# EAGLE board board (EAGLE 7.5.0), part 2 of 2 (continued)
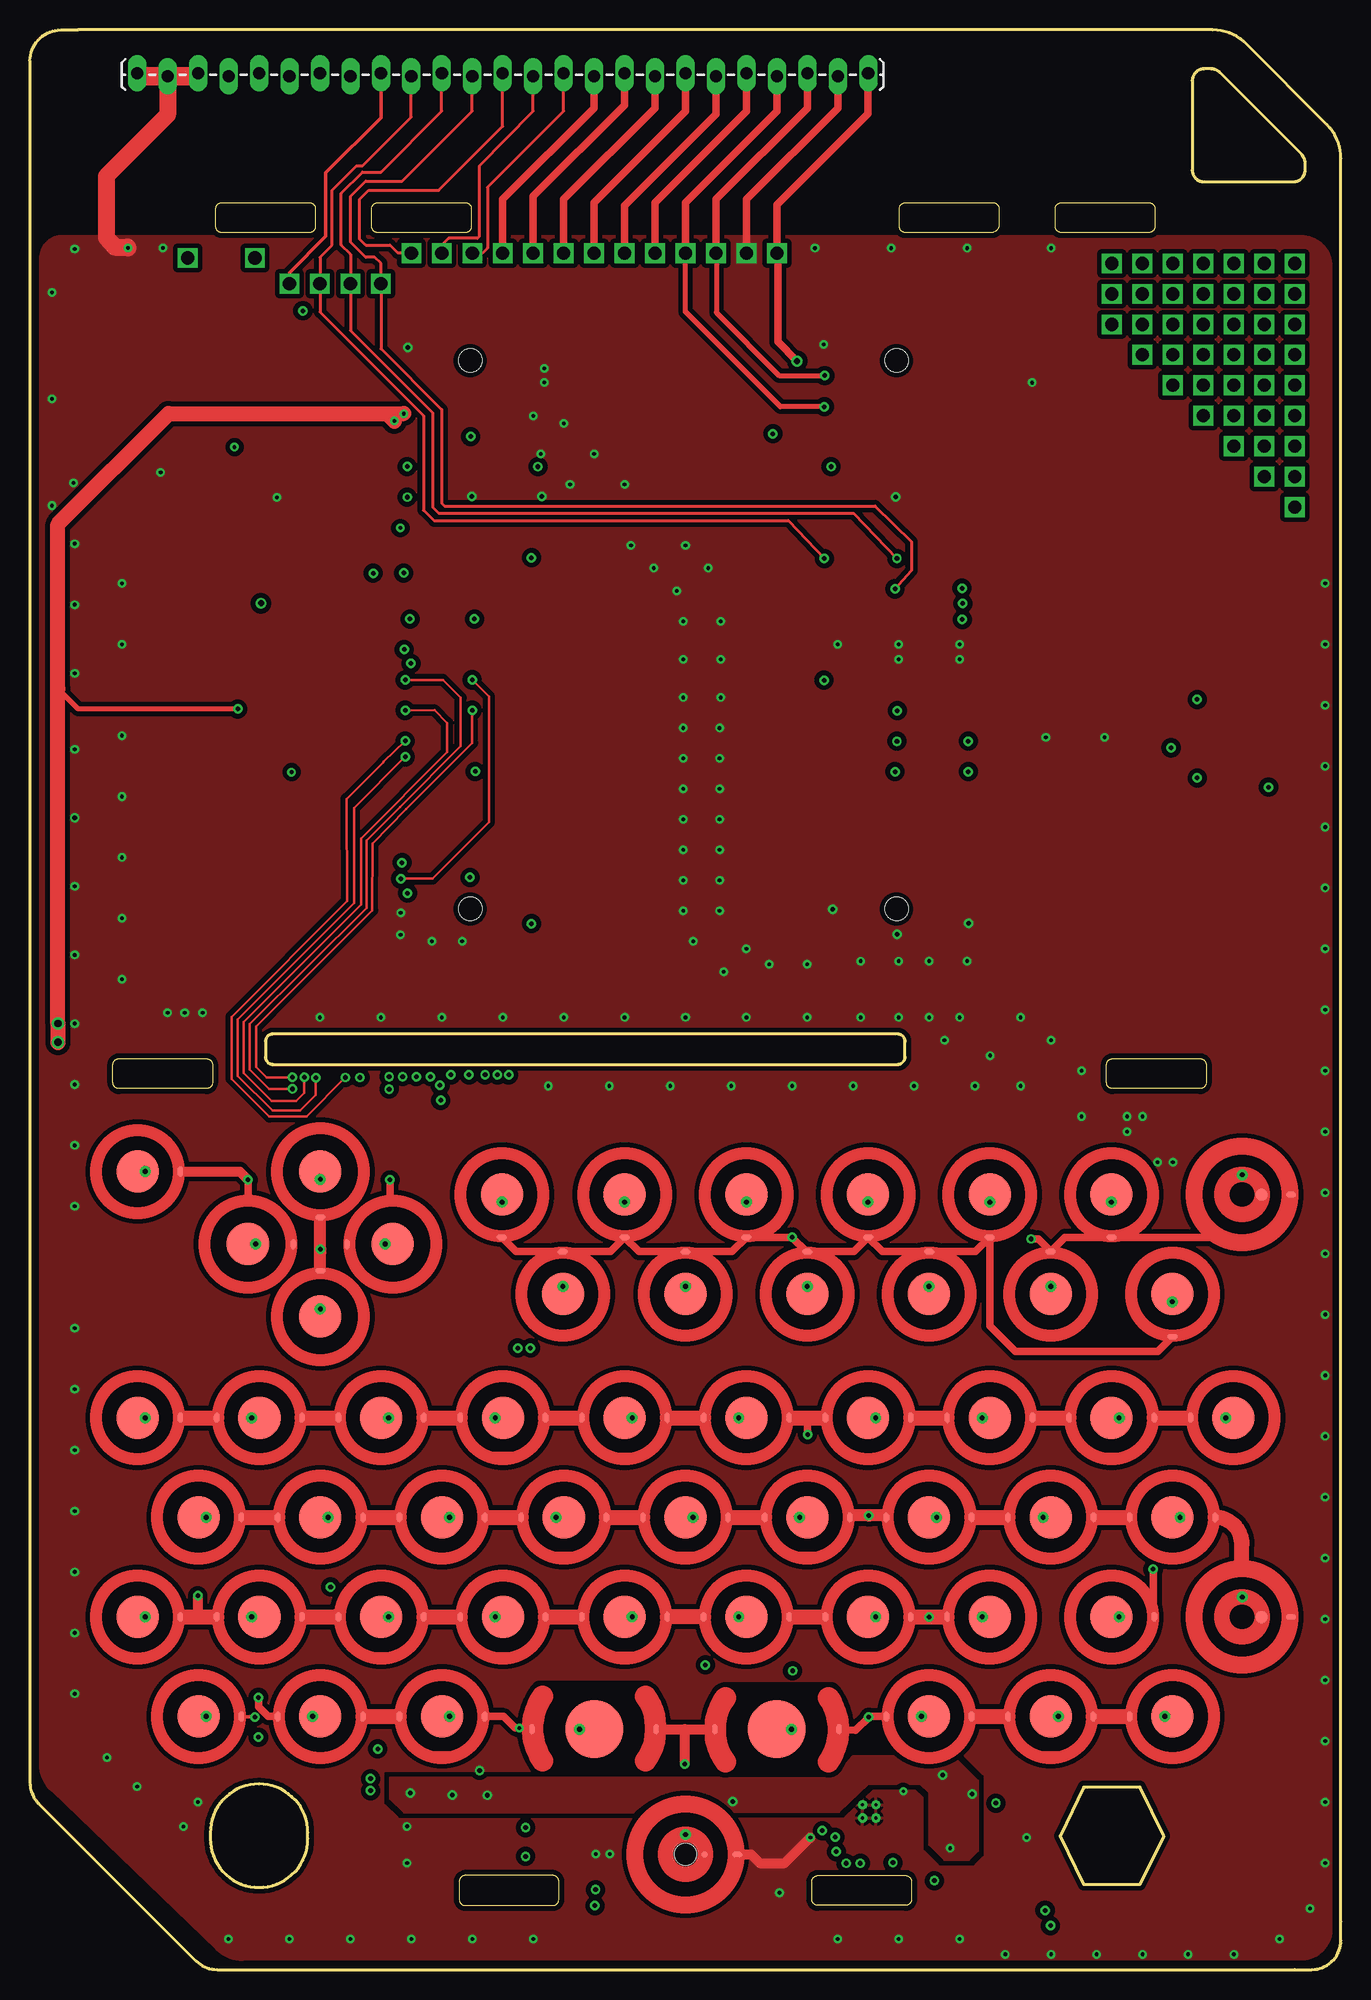
[diagram p0: board, top side]
## Tracks (layer width: path | path; a pad name or v marks a point on that pad's centre or on a via) (continued)
  Bottom 0.203: X1.20 30.42,35.15 31.31,36.04 31.31,53.16 26.95,57.52 26.95,73.81 v27.51,74.37 | v37.13,99.88 39.54,99.88 J1.69
LCD_D19
  Bottom 0.203: 39.69,97.33 37.38,97.33 36.37,98.34 30.83,98.34 25.7,93.21 25.7,87.98 16.81,79.09 16.81,74.26 20.87,70.2 20.87,50.27 24.94,46.21 24.94,39.46 26.07,38.33 26.07,37.22 24.42,35.57 X1.8
  Bottom 0.254: 39.69,97.33 J1.71
LCD_D20
  Bottom 0.203: J1.72 33.69,97.33 31.19,97.33 26.21,92.35 26.21,87.72 17.32,78.83 17.32,74.52 21.36,70.48 21.36,50.5 25.45,46.41 25.45,39.72 26.52,38.65 26.52,37.06 24.92,35.46 X1.9
LCD_D21
  Bottom 0.203: J1.73 39.69,94.78 37.38,94.78 36.37,95.8 31.24,95.8 26.72,91.28 26.72,87.47 17.83,78.58 17.83,74.77 21.86,70.74 21.86,50.7 25.95,46.5 25.95,39.97 26.98,38.95 26.98,36.91 25.42,35.35 X1.10
LCD_D22
  Bottom 0.203: J1.74 33.69,94.78 30.98,94.78 27.22,91.03 27.22,87.22 18.33,78.33 18.33,75.02 22.36,71 22.36,50.9 26.46,46.79 26.46,40.23 27.41,39.28 27.41,36.73 25.92,35.24 X1.11
LCD_D23
  Bottom 0.203: J1.75 39.69,92.25 37.13,92.25 35.77,93.6 31.34,93.6 27.73,90 27.73,86.96 18.84,78.07 18.84,75.28 22.86,71.26 22.86,51.2 26.97,47.09 26.97,40.48 27.82,39.63 27.82,36.56 26.42,35.16 X1.12
LCD_DE  (via drill 0.38)
  Route15 0.203: v37.95,74.6 37.95,73.63 34.54,70.23 20.88,70.23 16.82,74.28 16.82,80.88 30.3,94.36 35.53,94.36 41.8,88.09 v41.8,87.19
  Bottom 0.203: X1.34 37.42,35.8 38.19,36.6 38.19,41.71 37.08,42.82 37.08,73.74 v37.95,74.6 | v41.8,87.19 v41.8,87.2 J1.79
  Bottom 0.254: J1.79 39.6,87.15
LCD_XL  (via drill 0.3, 0.38)
  Route15 0.203: v40.66,51.82 40.66,64.21 39.46,65.41 34.44,65.38 33.09,64.03 7.88,64.03 5.84,66.06 5.84,76.32 27.88,98.36 27.88,117.73 30.34,120.19 v30.88,120.19
  Bottom 0.203: 33.69,120.19 J1.54 | X1.39 39.92,35.99 40.66,36.73 v40.66,51.82
  Bottom 0.61: v30.88,120.19 33.69,120.19
LCD_XR  (via drill 0.38)
  Route15 0.203: v38.98,74.6 38.98,73.33 35.38,69.73 20.57,69.73 16.29,74.01 16.29,81.16 30.3,95.17 30.3,115.56 v31.17,116.43
  Bottom 0.203: 39.72,120.19 J1.53 | X1.37 38.92,36.2 39.85,37.13 39.85,40.41 39.86,40.41 39.86,40.73 37.57,43.02 37.57,71.89 38.98,73.31 v38.98,74.6 | J1.53 | J1.53 37.69,120.23 37.13,119.67 37.13,117.13 36.45,116.44 31.18,116.44 v31.17,116.43
LCD_YD  (via drill 0.38)
  Route15 0.203: v39.92,74.6 39.92,73.1 35.73,68.9 20.75,68.9 15.79,73.86 15.79,81.6 29.45,95.26 29.45,118.52 29.93,119 40.5,119 v41.81,117.69
  Bottom 0.203: 39.72,117.64 J1.55 39.57,117.69 v41.81,117.69 | X1.38 39.42,36.09 40.26,36.93 40.26,40.9 38.02,43.14 38.02,71.16 39.93,73.07 39.93,74.66 v39.92,74.6
LCD_YU  (via drill 0.38)
  Route15 0.203: v41.73,51.82 41.73,64.04 39.72,66.04 34.16,66.04 32.74,64.62 8.15,64.62 6.4,66.38 6.4,76.02 28.62,98.24 v28.62,116.42
  Bottom 0.203: X1.40 40.42,35.88 41.07,36.53 41.07,51.16 v41.73,51.82 | v28.62,116.42 29.88,117.68 J1.56
N$1  (via drill 1.1)
  other vias: 95.3,137.16
N$9  (via drill 1.1)
  other vias: 97.84,137.16
N$24  (via drill 1.1)
  other vias: 100.38,137.16
N$25  (via drill 1.1)
  other vias: 102.92,137.16
N$26  (via drill 1.1)
  other vias: 102.92,139.7
N$27  (via drill 1.1)
  other vias: 105.46,139.7
N$28  (via drill 1.1)
  other vias: 105.46,137.16
N$30  (via drill 1.1)
  other vias: 105.46,134.62
N$31  (via drill 1.1)
  other vias: 102.92,134.62
N$32  (via drill 1.1)
  other vias: 100.38,134.62
N$33  (via drill 1.1)
  other vias: 97.84,134.62
N$34  (via drill 1.1)
  other vias: 95.3,134.62
N$35  (via drill 1.1)
  other vias: 92.76,134.62
N$36  (via drill 1.1)
  other vias: 95.3,132.08
N$37  (via drill 1.1)
  other vias: 97.84,132.08
N$38  (via drill 1.1)
  other vias: 100.38,132.08
N$39  (via drill 1.1)
  other vias: 102.92,132.08
N$40  (via drill 1.1)
  other vias: 105.46,132.08
N$41  (via drill 1.1)
  other vias: 105.46,129.54
N$42  (via drill 1.1)
  other vias: 102.92,129.54
N$43  (via drill 1.1)
  other vias: 100.38,129.54
N$44  (via drill 1.1)
  other vias: 97.84,129.54
N$45  (via drill 1.1)
  other vias: 100.38,127
N$46  (via drill 1.1)
  other vias: 90.22,142.24
N$47  (via drill 1.1)
  other vias: 105.46,127
N$48
  Bottom 0.203: 98.96,100.87 C17.1
  Bottom 0.279: U4.2 98.96,100.87
N$49  (via drill 1.1)
  other vias: 90.22,139.7
N$50
  Bottom 0.254: U5.4 52.78,11.18 53.11,10.87 53.11,9.22 52.75,8.87 52.07,8.87
  Bottom 0.305: 52.04,8.87 LED1.GREEN 52.07,8.87
N$51
  Bottom 0.254: 51.86,10.53 LED1.RED
  Bottom 0.305: 51.88,10.5 LED1.RED
  Bottom 0.356: U5.5 51.86,10.53
N$52  (via drill 1.1)
  other vias: 92.76,142.24
N$53
  Bottom 0.254: U5.10 39.69,10.49 R8.2
  Bottom 0.305: 38.17,10.5 R8.2
N$54  (via drill 1.1)
  other vias: 90.22,137.16
N$55  (via drill 1.1)
  other vias: 102.92,124.46
N$56  (via drill 1.1)
  other vias: 105.46,124.46
N$57  (via drill 1.1)
  other vias: 105.46,121.92
N$58  (via drill 1.1)
  other vias: 102.92,127
N$59  (via drill 1.1)
  other vias: 105.46,142.24
N$61
  Bottom 0.305: Q2.3 23.26,27.08 21.42,28.92 X1.2 | X1.2
N$63
  Bottom 0.406: Q2.1 25.68,29.16 Q1.3
N$87  (via drill 1.1)
  other vias: 100.38,139.7
N$120  (via drill 1.1)
  other vias: 102.92,142.24
N$121  (via drill 1.1)
  other vias: 100.38,142.24
N$122  (via drill 1.1)
  other vias: 97.84,142.24
N$124  (via drill 1.1)
  other vias: 92.76,139.7
N$125  (via drill 1.1)
  other vias: 92.76,137.16
N$126  (via drill 1.1)
  other vias: 95.3,142.24
N$127  (via drill 1.1)
  other vias: 95.3,139.7
N$129  (via drill 1.1)
  other vias: 97.84,139.7
N$555
  Bottom 0.305: U5.3 44.56,11.8 43.91,11.15 43.91,9.04 44.98,7.98 55.32,7.98 56.23,8.89 57.24,8.89 LED1.BLUE
PWM
  Bottom 0.203: J1.57 38.22,115.14 37,113.92 31.16,113.92 16.3,99.06 16.3,74.04 20.37,69.98 20.37,50.29 17.06,46.99 17.06,26.42 25.95,17.53 29.13,17.53 29.76,18.16 29.76,20.7 24.94,25.53 24.94,26.8 25.19,27.05 27.44,27.05 R13.2
  Bottom 0.61: R13.2 Q1.2
PWR_LGT  (via drill 0.38)
  Bottom 0.61: 28.42,14.92 28.42,15.55 30.51,17.65 30.51,21.12 25.68,25.95 Q2.2
  other vias: 28.4,15.91 28.4,14.92
  pour Bottom: 7.08,120.06 5.43,120.06 4.62,120.87 4.62,130.01 5.76,131.16 7.54,131.16 8.17,130.52 8.17,127.98 7.44,126.94 7.46,123.33 7.9,123.33 7.9,120.87
  pour Bottom (isolate 0.4): 7.9,123.03 5.38,123.03 4.62,122.27 4.62,21.18 8.86,16.92 22.02,16.92 22.6,16.4 24.94,14.06 28.75,14.06 29.26,14.57 29.26,15.84 28.75,16.35 25.45,16.35 23.87,17.87 11.43,17.87 5.76,23.46 5.76,118.71 7.9,120.74
PWR_ON  (via drill 0.38)
  Top 0.203: PWR.SW 56.26,9.82 arc90 PWR.SW1
  Route2 0.203: PWR.SW1 55.47,11.25 57.12,9.6 57.12,7.09 59.3,4.9 59.3,4.89 60.27,3.93 78.16,3.92 79.53,2.58 100.73,2.58 106.42,8.27 106.42,76.27
  Route2 0.254: 106.42,76.27 99.56,83.13 68.31,83.13 65.68,85.76 65.68,104.41 67.22,105.95 67.22,109.04 50.96,125.3 v42.35,125.3
  Bottom 0.203: 54.66,12.69 R9.1
  Bottom 0.254: v42.35,125.3 v42.34,125.3 J1.49
  Bottom 0.61: PWR.SW1 54.66,12.69
ROW-0  (via drill 0.38)
  Top 0.61: 2.GND 40.54,59.87 3.GND 48.39,59.87 4.GND 50.77,59.87 5.GND 58.54,59.87 6.GND v63.55,61.05 64.73,59.87 7.GND 68.69,59.87 8.GND 71.07,59.87 9.GND 78.84,59.87 0.GND 80.03,53.67 82.18,51.52 94.03,51.52 1.GND
  Route15 0.254: v63.55,61.05 63.55,61.03
  Route15 0.406: v66.06,11.57 66.06,41.45 63.55,43.99 63.55,61.03
  Bottom 0.254: U2.8 66.93,12.42 v66.06,11.57
ROW-1  (via drill 0.38)
  Top 0.203: I.GND arc90 79.45,42.93 80.36,42.93 arc90 83.61,46.15 | 86.58,46.15 86.58,46.08 arc90 89.68,42.98 90.81,42.98 arc90 O.GND | Y.GND 55.92,46.13 arc90 59.13,42.93 59.94,42.93 arc90 63.32,46.15 | 66.24,46.15 arc90 69.46,42.9 70.43,42.9 arc90 U.GND | W.GND arc90 18.53,42.95 19.68,42.95 arc90 22.86,46.13 | 25.68,46.13 arc90 28.88,42.93 29.86,42.93 arc90 E.GND | R.GND 35.62,46.06 arc90 38.63,43.05 40.03,43.05 arc90 43.12,46.15 | 45.97,46.15 45.97,46.05 arc90 49.02,43 50.23,43 arc90 T.GND
  Top 0.305: 22.86,46.13 22.94,46.13 W.GND@1 | 25.68,46.13 25.47,46.13 E.GND@1 | 63.32,46.15 63.54,46.15 Y.GND@1 | 66.24,46.15 66.07,46.15 U.GND@1 64.84,46 64.84,45.85 | 43.12,46.15 43.24,46.15 R.GND@1 | 45.97,46.05 45.77,46.05 T.GND@1 | 83.61,46.15 83.84,46.15 I.GND@1 | O.GND@1 86.58,46 86.58,46.08
  Top 0.406: 94,46.17 O.GND
  Top 0.61: v64.84,44.59 64.84,45.85
  Top 1.27: Q.GND W.GND | E.GND R.GND | U.GND I.GND | O.GND P.GND | W.GND@1 E.GND@1 | Y.GND@1 U.GND@1 | R.GND@1 T.GND@1 | I.GND@1 O.GND@1 | T.GND Y.GND
  Route15 0.406: v67.13,11.04 67.13,11.66 67.81,12.34 67.81,41.78 v64.84,44.59
  Bottom 0.254: U2.7 67.54,11.94 67.13,11.52 v67.13,11.04
ROW-2  (via drill 0.38)
  Top 0.203: 20.4,37.81 S.GND@1 20.4,37.76 arc90 23.47,34.62 24.86,34.62 arc90 S.GND | F.GND arc90 43.84,34.72 44.83,34.72 arc90 48.08,37.87 | 51.08,37.87 51.08,37.8 arc90 54.15,34.72 55.32,34.72 arc90 G.GND | H.GND 61,37.85 arc90 64.13,34.72 65.2,34.72 arc90 68.4,37.85 | 71.34,37.85 71.34,37.74 arc90 74.49,34.59 75.5,34.59 arc90 J.GND | K.GND 81.3,37.85 arc90 84.48,34.67 85.57,34.67 arc90 88.72,37.82 | 91.61,37.82 arc90 91.64,37.85 91.64,37.77 arc90 94.76,34.65 95.86,34.65 arc90 L.GND | 30.74,37.86 arc-90 30.76,37.85 30.76,37.8 arc90 33.9,34.65 34.96,34.65 arc90 D.GND
  Top 0.254: ENTER.GND 105.13,29.42 arc90 101.06,33.5
  Top 0.305: 30.76,37.8 30.55,37.8 D.GND@1 | 48.08,37.87 48.32,37.87 F.GND@1 | 51.08,37.8 50.84,37.8 G.GND@1 | 71.34,37.74 71.15,37.74 J.GND@1 70.02,37.7 70.02,37.85 | 68.4,37.85 68.62,37.85 | 88.72,37.82 88.92,37.82 K.GND@1 | 91.61,37.82 91.45,37.82 L.GND@1
  Top 0.406: 69.92,37.74 70.02,37.85
  Top 0.813: 28.01,37.85 S.GND | v69.92,37.84 69.92,37.74
  Top 1.016: 71.34,37.85 70.02,37.85 68.62,37.85 H.GND@1
  Top 1.27: J.GND K.GND | G.GND H.GND | A.GND S.GND@1 | D.GND F.GND | S.GND D.GND@1 | F.GND@1 G.GND@1 | K.GND@1 L.GND@1 | 101.06,33.5 101.06,35.46 arc90 L.GND
  Route15 0.406: v67.23,9.82 68.55,11.3 68.55,36.63 v69.92,37.84
  Bottom 0.203: U2.6 arc-90 U2.6 arc90 U2.6
  Bottom 0.254: U2.6 68.73,10.64 67.92,9.82 v67.23,9.82
ROW-3  (via drill 0.38)
  Top 0.203: Z.GND 15.32,29.46 arc90 18.49,26.29 19.4,26.29 arc90 22.7,29.54 | 25.68,29.54 25.78,29.31 arc90 28.67,26.34 30,26.34 arc90 X.GND | B.GND 55.92,29.5 arc90 59.13,26.29 60.02,26.29 arc90 63.32,29.52 | 66.21,29.52 66.21,29.44 arc90 69.26,26.39 70.52,26.39 arc90 N.GND | C.GND arc90 38.81,26.36 39.75,26.36 arc90 43,29.57 | 45.97,29.57 46.07,29.39 arc90 49.07,26.39 50.22,26.39 arc90 V.GND
  Top 0.305: 43,29.57 43.24,29.57 C.GND@1 | V.GND@1 45.97,29.4 45.97,29.57 | 63.32,29.52 63.54,29.52 B.GND@1 | 66.21,29.44 66.07,29.44 N.GND@1
  Top 0.406: 22.7,29.54 22.94,29.41 Z.GND@1 | 25.68,29.54 25.47,29.41
  Top 0.61: v74.98,29.38
  Top 0.813: v13.99,31.16 13.99,29.41
  Top 1.016: DWN.GND 24.21,59.77 v24.21,60.07 UP.GND
  Top 1.27: SHIFT.GND 13.99,29.41 Z.GND | X.GND C.GND | N.GND v74.98,29.38 M.GND | B.GND V.GND | 25.47,29.41 X.GND@1 Z.GND@1 | C.GND@1 V.GND@1 | B.GND@1 N.GND@1
  Route2 0.61: v13.99,31.16 7.34,37.81 7.34,52.98 11.36,57 19.17,57 22.25,60.07 v24.21,60.07
  Route15 0.254: v68.04,8.86 68.07,8.99
  Route15 0.381: 68.07,8.99 71.9,12.83
  Route15 0.406: 71.9,12.83 71.9,26.49 v74.98,29.38
  Bottom 0.254: U2.5 69.22,10.01 v68.04,8.86
ROW-4  (via drill 0.3, 0.38)
  Top 0.203: TAB.GND arc90 74.32,18.03 75.26,18.03 arc90 78.51,21.26 | 81.56,21.26 81.5,21.13 arc90 84.53,18.11 85.76,18.11 arc90 ?/.GND | FN.GND 20.4,21.15 arc90 23.57,17.98 24.46,17.98 arc90 27.78,21.26 | 30.76,21.26 30.76,21.13 arc90 33.78,18.11 35.02,18.11 arc90 ALT.GND | RIGHT.GND | RIGHT.GND arc-90 30.02,64.06 | 18.18,64.14 18.32,64.14 arc-90 LEFT.GND
  Top 0.305: 78.51,21.26 78.76,21.26 TAB.GND@1 | 81.5,21.13 81.29,21.13 ?/.GND@1 | 27.78,21.26 28.02,21.26 FN.GND@1 | 30.76,21.13 30.55,21.13 ALT.GND@1
  Top 0.406: v40.79,20.14 41.88,20.13 SPACEL.GND | 38.18,21.11 ALT.GND
  Top 0.61: SPACEL.GND 40.45,20.15 39.49,21.11 38.18,21.11 | SPACER.GND 68.82,19.93 v69.93,21.04 70,21.11 71.14,21.11 TAB.GND | TAB.GND arc-90 TAB.GND | 30.02,64.06 v30.02,65.84 | v18.18,65.84 18.18,64.14 | FN.GND 19.87,21.1 19.07,21.9 19.07,22.65 v19.05,22.68
  Top 0.813: SPACER.GND@1 SPACEL.GND@1 54.58,20.04 v54.58,17.14 | ESC.GND 17.5,66.52 v18.18,65.84
  Top 1.27: ?/.GND SHFT.GND | TAB.GND@1 ?/.GND@1 | FN.GND@1 ALT.GND@1
  Route2 0.254: v69.24,8.86 69.21,8.91
  Route2 0.61: v19.05,22.68 9.8,22.68 5.56,26.92 5.56,53.34 18.06,65.84 v18.18,65.84 20.09,67.74 28.11,67.74 v30.02,65.84 | 69.03,17.14 69.03,20.14 v69.93,21.04
  Route2 0.813: v40.79,20.14 43.79,17.14 v54.58,17.14 69.03,17.14 71.93,14.24 71.93,11.63 69.21,8.91
  Bottom 0.254: U2.4 69.72,9.39 v69.24,8.86
ROW-5  (via drill 0.38)
  Top 0.203: 98.98,61.06 101.58,61.06 arc90 BKSPC.GND
  Top 0.254: 93.65,29.4 '.GND
  Top 0.305: v18.75,21.05 17.65,21.05 17.62,21.09 CTRL.GND
  Top 0.61: v93.65,33.38 93.65,29.4 | 98.98,61.06 arc-90 98.97,61.05 +.GND 86.29,61.05 -.GND 84.06,60.91 v83.49,60.91
  Route2 0.254: v71.95,8.91 78.89,8.91 79.57,9.59 79.57,13.02 v80.54,13.86
  Route15 0.203: v71.95,8.91 71.94,8.91 | 71.94,8.91
  Route15 0.305: 71.94,8.91 72.98,8.91 74.02,7.87 74.02,5.18 73.53,4.7 54.93,4.7 41.12,18.51 31.15,18.51 29.41,20.25 19.56,20.25 v18.75,21.05
  Bottom 0.254: U2.3 70.23,9.23 70.56,8.91 v71.95,8.91 | v80.54,13.86 84.53,13.86 88.84,18.18 98.04,18.18 99.21,19.3 99.21,23.48 97.88,24.8 94.67,24.82 93.65,25.82 93.66,29.87 93.66,33.37 v93.65,33.38
  Bottom 0.813: 93.66,33.37 95.63,33.37 97.53,35.07 97.53,47.02 83.64,60.91 v83.49,60.91
ROW-6
  Bottom 0.203: U2.2 70.74,10.38 71.29,9.83 72.84,9.83 73.12,9.55 73.12,8.76 74.04,7.85 74.04,5.46 74.92,4.58 R11.1
ROW-7
  Bottom 0.203: U2.1 71.22,10.56 71.5,10.29 73.15,10.29 73.55,9.88 73.55,8.94 74.47,8.03 74.47,6.55 75.12,5.9 R7.1
SA0
  Bottom 0.203: U4.7 R18.1
SPI-CLK  (via drill 0.38, 1.1)
  Top 0.61: v39.42,143.1 39.42,147.57 47.04,155.19 JP1.12
  Route15 0.254: v39.42,143.1 39.42,140.94 41.07,139.29 79.93,139.29 91.11,128.24 91.11,101.77 90.01,100.84 79.95,100.84 v78.23,102.41
  Bottom 0.254: 75.28,102.41 J1.27
  Bottom 0.406: ESD9.C 39.45,143.07 arc90 v39.42,143.1
  Bottom 0.61: v78.23,102.41 75.28,102.41
SPI-MISO  (via drill 0.38, 1.1)
  Top 0.61: v44.5,143.1 44.5,147.57 52.12,155.19 JP1.14
  Route15 0.254: v44.5,143.1 ESD7.C 46.02,140.3 80.56,140.3 92.5,128.62 92.5,101.06 90.01,98.75 79.5,98.75 v78.23,99.86
  Bottom 0.254: 75.28,99.86 J1.29
  Bottom 0.406: ESD7.C 44.5,141.86 v44.5,143.1
  Bottom 0.61: v78.23,99.86 75.28,99.86
SPI-MOSI  (via drill 0.38, 1.1)
  Top 0.61: v41.96,143.1 41.96,147.83 49.58,155.45 JP1.13
  Route15 0.254: v41.96,143.1 41.96,141.44 43.73,139.79 80.31,139.79 91.74,128.49 91.74,101.36 90.01,99.8 79.52,99.8 78.33,100.99 73.1,100.99 v72.13,99.86
  Bottom 0.254: 69.28,99.86 J1.30 | 42.07,142.98 v41.96,143.1
  Bottom 0.406: ESD8.C v41.96,143.1
  Bottom 0.61: v72.13,99.86 69.28,99.86
SPI-SEL  (via drill 0.38, 1.1)
  Top 0.61: v47.04,143.1 47.04,147.32 54.66,154.94 JP1.15
  Route15 0.254: v47.04,143.1 47.04,141.57 47.67,140.81 80.95,140.81 93.19,128.87 93.19,100.7 90.01,97.71 72.18,97.71 70.81,99.08 70.81,101.09 v72.28,102.41
  Bottom 0.254: 69.28,102.41 J1.28
  Bottom 0.406: v72.28,102.41 69.28,102.41 | ESD6.C 47.04,141.97 v47.04,143.1
UART_RX  (via drill 0.38, 1.1)
  Top 0.406: v66.24,130.29 62.56,130.29 54.66,138.2 v54.66,143.1
  Top 0.61: v54.66,143.1 54.66,147.32 62.28,154.94 JP1.18
  Route2 0.305: v66.24,130.29 66.26,130.24
  Bottom 0.305: 67.97,130.29 69.26,130.29 J1.6
  Bottom 0.406: ESD3.C v54.66,143.1
  Bottom 0.61: v66.24,130.29 67.97,130.29
UART_TX  (via drill 0.38, 1.1)
  Top 0.406: 57.22,143.07 57.22,138.13 62.46,132.9 66.25,132.9 v66.26,132.88
  Top 0.61: v57.2,143.1 57.2,147.57 64.82,155.19 JP1.19 | 57.22,143.23 v57.2,143.1 | 57.22,143.07 v57.2,143.1
  Bottom 0.254: 57.22,143.07 v57.2,143.1
  Bottom 0.305: 66.28,132.93 v66.26,132.88
  Bottom 0.406: ESD2.C 57.23,143.07 v57.2,143.1
  Bottom 0.61: J1.4 66.28,132.93
VBAT_EXT  (via drill 0.38, 0.5 pad 0.25)
  Route2 0.406: 19.99,139.06 20.75,138.29 v22.75,138.29 30.09,138.29 36.75,131.72 v36.75,127.81 | 19.99,139.06 19.96,142.28 20.87,143.2 23.35,143.2 23.36,143.2 23.56,143.2 24.76,144.4 24.76,151.8 26.72,153.76 JP1.4 | 19.99,139.06 19.93,139 17.46,139 15.54,138.96 9.76,133.18 9.76,123.4 v19.26,113.9
  Bottom 0.254: L1.P$2 16.45,121.67 | 17.56,124.67 C4.1 | U1.5 15.23,123.22 | 19.06,114.1 v19.26,113.9
  Bottom 0.406: 39.53,127.81 v36.75,127.81 | ESD17.A 22.75,137.47 v22.75,138.29
  Bottom 1.016: 39.53,127.81 J1.47
  Bottom 1.27: J3.1 96.64,70.02 96.64,71.32 95.53,72.44 86.5,72.44 76.76,82.19 60.81,82.19 55.84,87.16 55.84,115.14 43.14,127.84 J1.47
  pour Bottom (isolate 0.4): 16.21,113.13 20.7,113.16 20.7,115.72 18.35,115.72 18.33,115.92 18.33,123.16 18.54,123.31 18.94,123.54 18.97,125.98 16.53,125.98 16.53,123.95 14.35,123.95 14.37,123.1 15.34,122.09 15.36,114.11
VCC3V3  (via drill 0.3, 0.3 pad 0.56, 0.38, 0.6)
  Top 0.406: v17.33,105.1 4.01,105.1 2.33,106.78 | v30.37,129.1 30.4,129.08 | v35.23,14.53 35.2,14.53 | v38.14,14.53 38.14,14.6 38.12,14.62 38.12,14.55 v38.14,14.53
  Top 0.61: 58.62,14.03 58.61,14.01 v58.61,14.02 v58.6,14.02
  Top 1.016: v31.18,129.72 v31.19,129.71 | 29.97,129.51 29.97,129.69
  Top 1.27: 2.33,77.27 v2.33,77.31 v2.33,78.86 2.33,106.78 2.33,120.5 11.55,129.72 v31.18,129.72 | 30.4,129.08 29.97,129.51
  Route2 0.61: v31.72,14.7 31.72,25.24 v25.07,31.89 | v103.27,98.58 98.09,98.58 v97.33,99.34 v97.33,105.89 97.33,119.15 91.18,125.3 v66.8,125.3 52.12,125.3 49.65,127.76 | 49.7,127.76 49.65,127.76 | 49.65,127.76 38.93,127.76 37.49,126.31 33.16,126.31 v30.37,129.1
  Bottom 0.203: U2.21 74.29,13.43 arc90 74.29,13.44 74.71,13.86 C6.1 | v76.72,10.11 76.72,9.85 76.7,9.82 | 97.71,100.37 R16.2 97.53,100.37 | 101.8,100.09 U4.14 | R18.2 101.29,105.89 v97.33,105.89 | 101.81,98.58 C19.1 | 76.7,9.07 76.69,9.07 R10.1
  Bottom 0.254: U5.13 39.69,12.45 C12.2
  Bottom 0.279: v25.07,31.89 23.63,31.89 22.42,33.1 X1.4 | U4.1 97.53,100.37 | 101.8,100.09 C19.1
  Bottom 0.305: 33.72,130.34 J1.46 33.73,130.31 | U5.12 U5.13 | C12.2 38.15,12.52
  Bottom 0.406: R6.2 v76.1,16.2 | v76.09,16.2 R6.2 | R12.2 v17.33,105.1 | v17.33,105.1 | 38.15,12.52 v38.15,14.52 v38.14,14.53 | R6.2 74.71,16.2 C6.1 | 76.7,9.07 76.7,9.82 | R4.2 v35.23,14.53 | R5.2 32.06,9.46 30.53,11 30.53,13.34 | v31.72,14.7 31.72,14.68 31.8,14.61 | v25.07,31.89 26.76,31.89 27.55,31.1 27.55,30.34 Q1.1 | R10.1 76.69,8.32 77.26,7.75 79.9,7.75 81.2,6.45 R7.2 R11.2
  Bottom 0.61: C11.2 LED1.VIN | C11.2 | C11.2 57.25,13.06 | 57.25,13.06 56.31,14 R9.2 | 57.25,13.06 58.2,14.01 58.61,14.01 v58.61,14.02 v58.6,14.02 | v97.33,105.89 R17.2 | R16.2 v97.33,99.34 | v103.27,98.58 101.81,98.58 | J1.10 v66.8,125.3
  Bottom 0.635: C19.1 C18.1
  Bottom 0.813: v31.19,129.71 30.6,130.3 26.97,130.3 26.34,129.67 19.6,129.67 12.24,137.03 Q3.3
  Bottom 1.27: 31.8,14.61 30.53,13.34 27.99,13.34 26.08,11.43 26.08,7.62 22.91,4.45 15.92,4.45 2.33,18.03 v2.33,77.31 2.33,78.99
  other vias: 78.56,14.62
  pour Top (isolate 0.4, rank 2): 67.1,16 30.02,16 30.02,14.22 31.19,13.11 50.32,13.11 arc-45 54.3,14.89 54.56,14.9 arc-45 58.64,13.14 67.46,13.13 69.9,15.49 74.21,15.49 74.98,14.73 74.98,10.41 76.25,9.14 78.28,9.14 79.04,9.91 79.04,15.75 77.01,17.78 68.63,17.75
  pour Bottom (isolate 0.305): 36.52,128.92 36.88,129.28 36.88,130.85 36.8,131.06 36.62,131.13 29.31,131.13 28.7,130.6 28.7,127.91 30.83,127.91 31.29,128.92
VCC5V
  Bottom 0.813: 26.49,132.06 26.08,132.46 21.64,132.46 17.83,136.27 Q4.3
  pour Bottom (isolate 0.305): 71.67,136.33 71.67,134.05 79.66,134.05 79.66,137.34 24.86,137.34 24.86,132.66 24.84,131.77 36.27,131.77 36.62,132.12 36.62,133.6 35.84,134.31 30.7,134.31 30.35,134.76 30.4,135.72 31.16,136.36
VREG_OUTPUT
  pour Bottom (isolate 0.4): 14.4,121.99 14.31,114.08 13.55,113.14 11.86,113.16 11.22,114.14 11.22,119.12 10.33,120.01 9.95,120.36 9.39,120.9 9.39,123.57 11.6,123.57 12.11,123.54 13.26,123.42
VSYNC  (via drill 0.38)
  Route15 0.203: v36.6,74.6 36.6,73.09 34.35,70.85 21,70.85 17.33,74.51 17.33,80.49 30.48,93.64 30.49,93.64 30.59,93.74 35.46,93.74 38.48,90.72 38.48,87.46 37.67,86.64 34.57,86.64 v31.47,89.74
  Bottom 0.203: X1.33 36.92,35.91 37.75,36.74 37.75,41.38 36.6,42.54 v36.6,74.6 | 33.87,89.76 J1.78 | v31.47,89.74 J1.78
  Bottom 0.254: J1.78

## Text on the board
Top: TOP COPPER
Route2: INNER 1 COPPER
Route15: INNER 2 COPPER
Bottom: BOT COPPER
bPlace: PWR_LGT | VCC5V | BOT SILK
tNames: TOP SILK
bNames: 3.3V | 5V
tStop: TOP MASK
bStop: BOT MASK
tCream: TOP PASTE
bCream: BOT PASTE
DrillLegend: Pocket Chip REV6 / Gustavo Huber // Jose Torres // Scott Griffitts / gus@nextthing.co // jose@nextthing.co // / scott@nextthing.co | PCB Specification: / / 1. Number of layers: 4 / 2. Material: FR4 / 3. Board thickness: 1.6 MM / 4. Copper thickness: 1oz copper. / 5. Silkscreen: Pink / 6. Solder Mask: White / 7. Surface Finish: Immersion gold / 8. Dimensions in MM | LAYER-STACK | LEGEND